# Altium PCB bms_mainboard-1_0.PcbDoc (part 5 of 7) (continued)
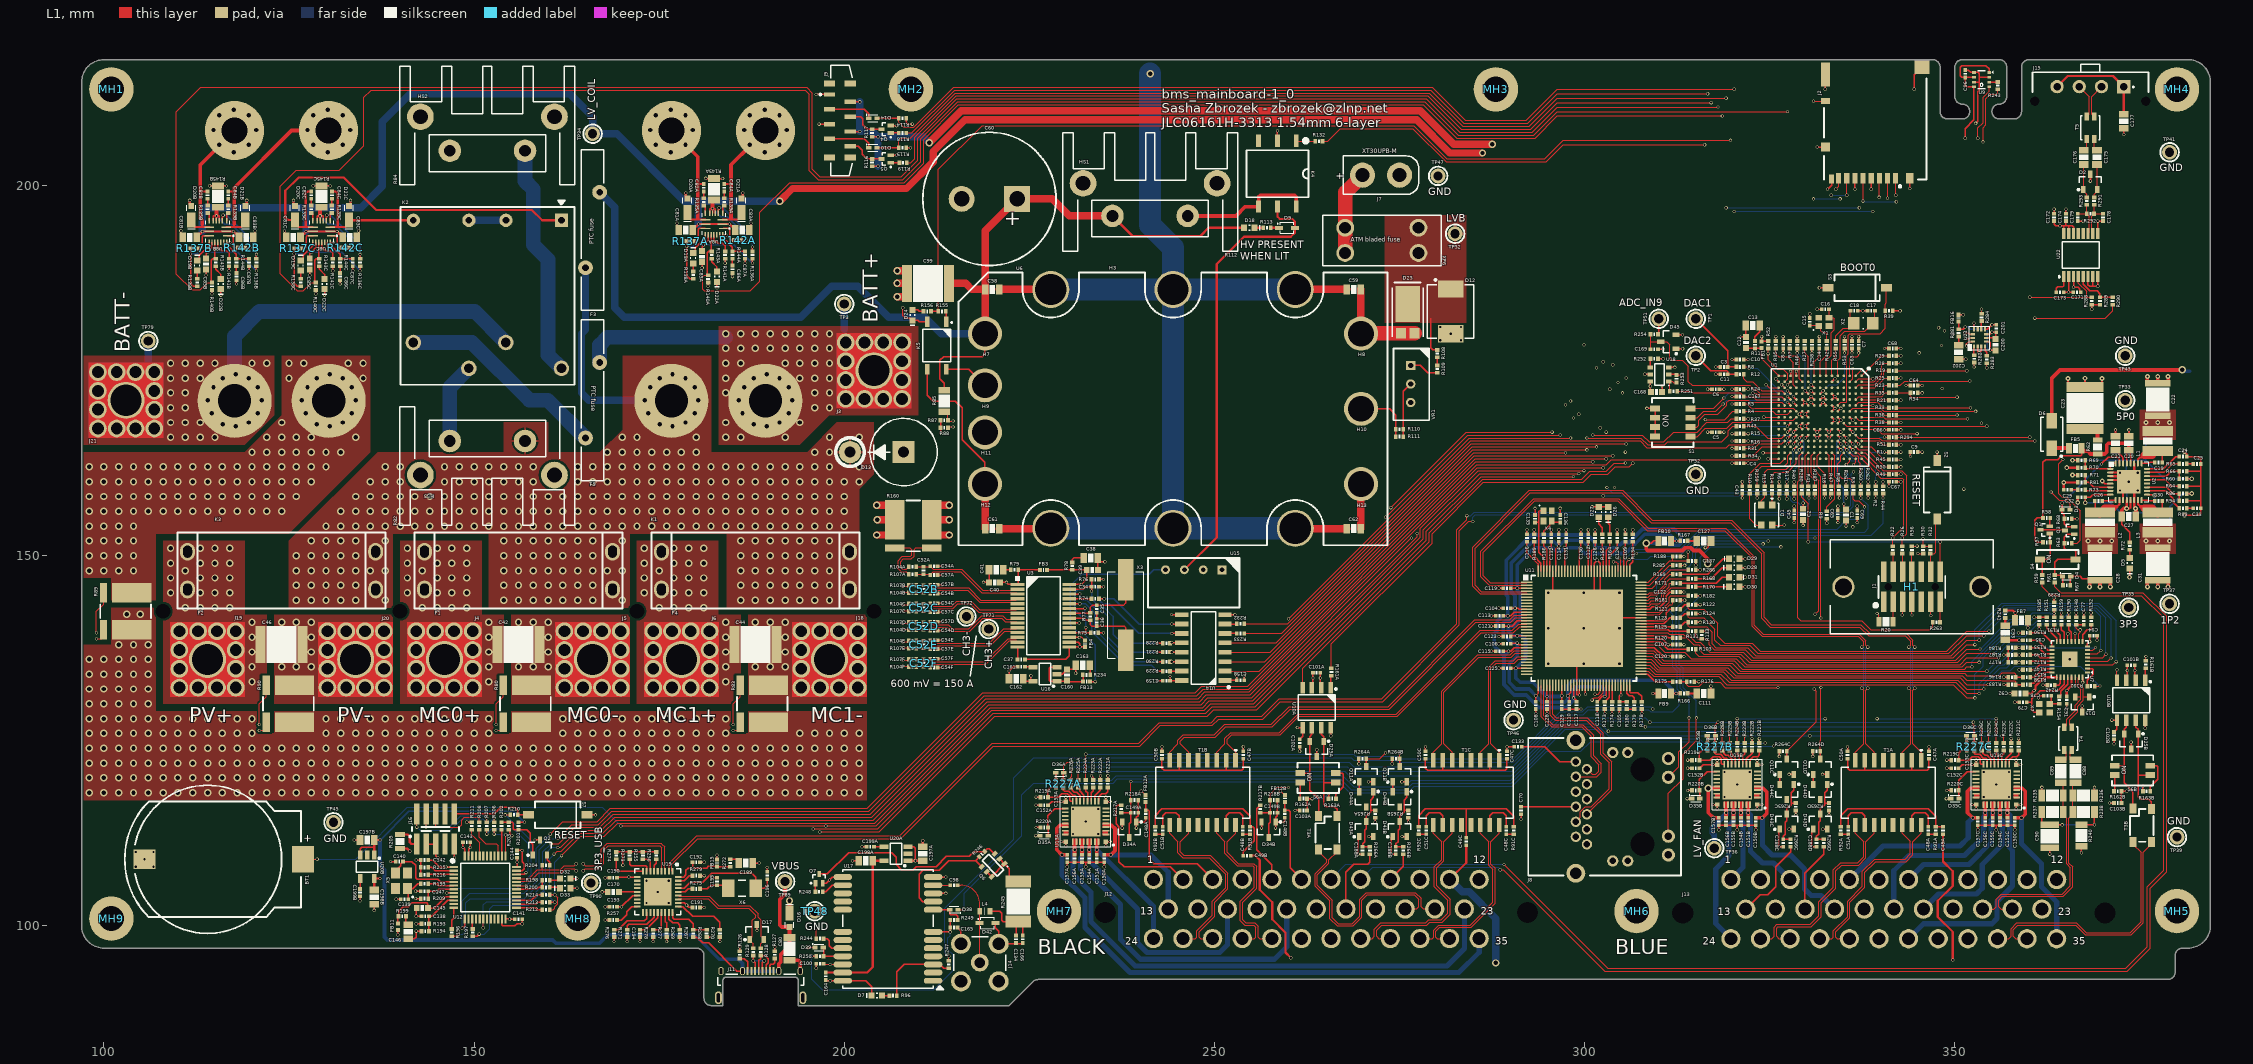
[diagram p0: L1 view]
## Nets (pads, with @x,y where several pads share a name; then routed paths per layer and width w, separated by ;. In a path a pad name is that pad's centre, name@x,y a point inside that pad or via, vN(x,y) a via of type N, cw(c..) or ccw(c..) an arc to the next point about the centre after c; other vN are vias at no path point) (continued)
NetC36_1: C36.1 R77.1 U3.21 X3.1 | length 11.5
  L1 w0.203: U3.21@230.4,141.575 232.425,141.575 232.7,141.3 R77.1@233.2,141.3 233.2,140.7 233.4,140.5 C36.1@234.1,140.5 237.8,140.5 238,140.3 X3.1@238,137.25
NetC37_1: C37.1 U3.14 | length 1.7
  L1 w0.203: C37.1@223.4,136 U3.14@223.4,137.675
NetC37_2: C37.2 C40.2 C41.2 C54A.2 C54B.2 C54C.2 C54D.2 C54E.2 C54F.2 C57A.1 C57B.1 C57C.1 C57D.1 C57E.1 C57F.1 FB4.2 U3.15 U3.16 | length 21.1
  L1 w0.2: C54F.2@212.6,134.9 v1(213.2,134.9) ; C57F.1@212.6,136.1 v1(213.2,136.1) ; C57E.1@212.6,137.4 v1(213.2,137.4) ; C54E.2@212.6,138.6 v1(213.2,138.6) ; C54D.2@212.6,139.9 v1(213.2,139.9) ; C57D.1@212.6,141.1 v1(213.2,141.1) ; C57C.1@212.6,142.4 v1(213.2,142.4) ; C54C.2@212.6,143.6 v1(213.2,143.6) ; C54B.2@212.6,144.9 v1(213.2,144.9) ; C57B.1@212.6,146.1 v1(213.2,146.1) ; C57A.1@212.6,147.4 v1(213.2,147.4) ; C54A.2@212.6,148.6 v1(213.2,148.6) ; v1(218.8,146.4) C40.2@219.55,146.4 C41.2@219.55,148.1 ; C37.2@224.4,136 229.9,136 230.4,136.5 U3.15@230.4,137.675 230.425,137.7 v1(231.8,137.7) ; U3.16@230.4,138.325 231.575,138.325 231.8,138.1 v1(231.8,137.7) ; FB4.2@232.5,137.65 232.45,137.7 v1(231.8,137.7)
NetC38_1: C38.1 R78.1 | length 2
  L1 w0.203: R78.1@230.8,149.1 230.8,149.5 231,149.7 C38.1@232.35,149.7
NetC40_1: C40.1 FB3.2 R79.2 U3.1 | length 7.4
  L1 w0.2: C40.1@221.05,146.4 v1(221.9,146.4) 222.175,146.125 U3.1@223.4,146.125 223.5,146.225 R79.2@223.5,148.1 FB3.2@226.45,148.1
NetC41_1: C41.1 R79.1 | length 1.1
  L1 w0.2: C41.1@221.45,148.1 R79.1@222.5,148.1
NetC47A_1: C47A.1 C50A.1 T1A.2 T1A.7 | length 16.7
  L1 w0.2: C50A.1@335.5,122.6 335.5,121.3 335.8,121 337.825,121 ; T1A.7@337.825,122.382 337.825,121 ; T1A.2@344.175,122.382 344.175,121 ; C47A.1@346.5,122.6 346.5,121.2 346.3,121 344.175,121 ; 337.825,121 344.175,121
NetC47B_1: C47B.1 C50B.1 T1B.2 T1B.7 | length 16.7
  L1 w0.2: C50B.1@242.9,122.6 242.9,121.3 243.2,121 245.225,121 ; T1B.7@245.225,122.382 245.225,121 ; T1B.2@251.575,122.382 251.575,121 ; C47B.1@253.9,122.6 253.9,121.2 253.7,121 251.575,121 ; 245.225,121 251.575,121
NetC47C_1: C47C.1 C50C.1 T1C.2 T1C.7 | length 16.7
  L1 w0.2: C50C.1@278.5,122.6 278.5,121.3 278.8,121 280.825,121 ; T1C.7@280.825,122.382 280.825,121 ; T1C.2@287.175,122.382 287.175,121 ; C47C.1@289.5,122.6 289.5,121.2 289.3,121 287.175,121 ; 280.825,121 287.175,121
NetC48A_1: C48A.1 T1A.15 | length 5.3
  L1 w0.2: T1A.15@344.175,113.619 344.175,114.875 344.6,115.3 346,115.3 346.4,114.9 C48A.1@346.4,113.4
NetC48A_2: C48A.2 R91A.2 | length 1
  L1 w0.2: C48A.2@346.4,112.4 R91A.2@347.4,112.4
NetC48B_1: C48B.1 T1B.15 | length 5.3
  L1 w0.2: T1B.15@251.575,113.619 251.575,114.875 252,115.3 253.4,115.3 253.8,114.9 C48B.1@253.8,113.4
NetC48B_2: C48B.2 R91B.2 | length 1
  L1 w0.2: C48B.2@253.8,112.4 R91B.2@254.8,112.4
NetC48C_1: C48C.1 T1C.15 | length 5.3
  L1 w0.2: T1C.15@287.175,113.619 287.175,114.875 287.6,115.3 289,115.3 289.4,114.9 C48C.1@289.4,113.4
NetC48C_2: C48C.2 R91C.2 | length 1
  L1 w0.2: C48C.2@289.4,112.4 R91C.2@290.4,112.4
NetC49A_1: C49A.1 R91A.1 R92A.1 | length 17.5
  L1 w0.2: R92A.1@334.6,113.4 334.6,114.9 335.5,115.8 346.4,115.8 347.4,114.8 R91A.1@347.4,113.4 C49A.1@348.4,113.4
NetC49B_1: C49B.1 R91B.1 R92B.1 | length 21.5
  L1 w0.2: R92B.1@242,113.4 242,114.9 242.9,115.8 253.8,115.8 254.8,114.8 R91B.1@254.8,113.4 255.2,113.4 255.4,113.2 255.4,111.5 253.9,110 C49B.1@253.9,109.5
NetC49C_1: C49C.1 R91C.1 R92C.1 | length 20.4
  L1 w0.2: R92C.1@277.6,113.4 277.6,114.9 278.5,115.8 284,115.8 ; C49C.1@284,111.9 284,115.8 ; R91C.1@290.4,113.4 290.4,114.8 289.4,115.8 284,115.8
NetC51A_1: C51A.1 T1A.10 | length 5.3
  L1 w0.2: C51A.1@335.6,113.4 335.6,114.9 336,115.3 337.4,115.3 337.825,114.875 T1A.10@337.825,113.619
NetC51A_2: C51A.2 R92A.2 | length 1
  L1 w0.2: R92A.2@334.6,112.4 C51A.2@335.6,112.4
NetC51B_1: C51B.1 T1B.10 | length 5.3
  L1 w0.2: C51B.1@243,113.4 243,114.9 243.4,115.3 244.8,115.3 245.225,114.875 T1B.10@245.225,113.619
NetC51B_2: C51B.2 R92B.2 | length 1
  L1 w0.2: R92B.2@242,112.4 C51B.2@243,112.4
NetC51C_1: C51C.1 T1C.10 | length 5.3
  L1 w0.2: C51C.1@278.6,113.4 278.6,114.9 279,115.3 280.4,115.3 280.825,114.875 T1C.10@280.825,113.619
NetC51C_2: C51C.2 R92C.2 | length 1
  L1 w0.2: R92C.2@277.6,112.4 C51C.2@278.6,112.4
NetC59_2: C59.2 D23.1 H8.1 | length 13.2
  L1 w1: C59.2@269.75,185.969 269.75,180.05 H8.1@269.8,180
  L1 w2: H8.1@269.8,180 269.848,180.048 D23.1@277.02,180.048
NetC60_2: C60.2 C61.1 C99.2 H12.1 K5.3 R160.2 | length 37.7
  L1 w0.2: K5.3@211.23,175.2 211.23,171.67 212,170.9 215,170.9 215.9,170 215.9,165.7 219,162.6 H12.1@219,159.68
  L1 w1: v2(207.125,186.8) C99.2@208.475,186.8 ; v2(207.15,185) C99.2@208.5,185 ; v2(207.15,188.5) C99.2@208.5,188.5 ; R160.2@211.8,154.85 v2(214.15,154.85) ; R160.2@211.85,152.8 v2(214.2,152.8) ; R160.2@211.85,156.8 v2(214.2,156.8) ; H12.1@219,159.68 219.05,159.63 C61.1@219.05,153.669
  L1 w2: H12.1@218.98,159.7 H12.1@219,159.68
NetC70_1: C70.1 J8.6 | length 7.4
  L1 w0.2: C70.1@291.4,116.1 J8.6@298.808,116.1
NetC78_1: C78.1 R154.2 X7.3 | length 2.6
  L1 w0.2: C78.1@363,131.1 363,130.15 X7.3@362.8,129.95 362.85,130 R154.2@364.1,130
NetC79_1: C79.1 U7.27 X7.1 | length 9.5
  L1 w0.2: C79.1@359.7,130.2 360.4,130.2 ; X7.1@361.4,128.85 360.75,128.85 360.4,129.2 360.4,130.2 ; U7.27@364.75,133.6 364.75,132.65 363.9,131.8 361.5,131.8 360.4,130.7 360.4,130.2
NetC82A_1: C82A.1 R135A.2 | length 0.9
  L1 w0.2: R135A.2@181,198.3 C82A.1@181,199.2
NetC82B_1: C82B.1 R135B.2 | length 0.9
  L1 w0.2: R135B.2@114,197.3 C82B.1@114,198.2
NetC82C_1: C82C.1 R135C.2 | length 0.9
  L1 w0.2: R135C.2@128,197.3 C82C.1@128,198.2
NetC84A_2: C84A.2 R139A.2 | length 0.9
  L1 w0.2: R139A.2@183.8,198.3 C84A.2@183.8,199.2
NetC84B_2: C84B.2 R139B.2 | length 0.9
  L1 w0.2: R139B.2@116.8,197.3 C84B.2@116.8,198.2
NetC84C_2: C84C.2 R139C.2 | length 0.9
  L1 w0.2: R139C.2@130.8,197.3 C84C.2@130.8,198.2
NetC85A_1: C85A.1 R136A.1 R137A.1 R138A.1 U8A.14 | length 18.9
  L1 w0.2: R137A.1@178.7,192.5 178.7,187.8 179.1,187.4 R138A.1@179.6,187.4 ; C85A.1@180.8,191.15 180.8,191.8 v1(181,192) 181.6,192.6 U8A.14@181.6,193.35 ; v1(187.6,189.5) R136A.1@187.6,190.1
  L6 w0.2: v1(178.7,191.8) 179.6,191.8 179.8,192 v1(181,192) 185.1,192 v1(187.6,189.5)
NetC85B_1: C85B.1 R136B.1 R137B.1 R138B.1 U8B.14 | length 18.9
  L1 w0.2: R137B.1@111.7,191.5 111.7,186.8 112.1,186.4 R138B.1@112.6,186.4 ; C85B.1@113.8,190.15 113.8,190.8 v1(114,191) 114.6,191.6 U8B.14@114.6,192.35 ; v1(120.6,188.5) R136B.1@120.6,189.1
  L6 w0.2: v1(111.7,190.8) 112.6,190.8 112.8,191 v1(114,191) 118.1,191 v1(120.6,188.5)
NetC85C_1: C85C.1 R136C.1 R137C.1 R138C.1 U8C.14 | length 18.9
  L1 w0.2: R137C.1@125.7,191.5 125.7,186.8 126.1,186.4 R138C.1@126.6,186.4 ; C85C.1@127.8,190.15 127.8,190.8 v1(128,191) 128.6,191.6 U8C.14@128.6,192.35 ; v1(134.6,188.5) R136C.1@134.6,189.1
  L6 w0.2: v1(125.7,190.8) 126.7,190.8 126.9,191 v1(128,191) 132.1,191 v1(134.6,188.5)
NetC86A_1: C86A.1 R144A.1 | length 0.9
  L1 w0.2: C86A.1@184.9,189.2 R144A.1@184.9,190.1
NetC86B_1: C86B.1 R144B.1 | length 0.9
  L1 w0.2: C86B.1@117.9,188.2 R144B.1@117.9,189.1
NetC86C_1: C86C.1 R144C.1 | length 0.9
  L1 w0.2: C86C.1@131.9,188.2 R144C.1@131.9,189.1
NetC87A_1: C87A.1 R144A.2 U8A.18 | length 5
  L1 w0.2: U8A.18@183.2,193.35 183.2,192.8 183.4,192.6 184,192.6 184.9,191.7 R144A.2@184.9,191.1 C87A.1@186.6,191.1
NetC87B_1: C87B.1 R144B.2 U8B.18 | length 5
  L1 w0.2: U8B.18@116.2,192.35 116.2,191.8 116.4,191.6 117,191.6 117.9,190.7 R144B.2@117.9,190.1 C87B.1@119.6,190.1
NetC87C_1: C87C.1 R144C.2 U8C.18 | length 5
  L1 w0.2: U8C.18@130.2,192.35 130.2,191.8 130.4,191.6 131,191.6 131.9,190.7 R144C.2@131.9,190.1 C87C.1@133.6,190.1
NetC88_1: C88.1 T4.4 | length 2.2
  L1 w0.1: T4.4@365.8,123.775 365.551,123.526 365.551,122.45 C88.1@366.3,122.45
NetC89_1: C89.1 T4.3 | length 2.2
  L1 w0.1: C89.1@364.3,122.45 365.049,122.45 365.049,123.526 T4.3@364.8,123.775
NetC90_1: C90.1 R237.2 R238.2 R240.1 | length 12.4
  L1 w0.2: R237.2@361.75,115.4 361.75,113.658 361.758,113.65 364.5,113.65 v1(364.503,113.653) ; R240.1@367.1,113.65 368.842,113.65 v1(368.853,113.661) 368.85,113.664 R238.2@368.85,115.4
  L6 w0.2: v1(364.503,113.653) 368.845,113.653 v1(368.853,113.661)
NetC91_1: C91.1 C92.1 FB7.1 R241.2 U7.25 U7.29 | length 27.2
  L1 w0.3: R241.2@356.8,142.6 357.821,142.6 v1(358.147,142.274) 358.15,142.271 FB7.1@358.15,141.65 ; C92.1@359.55,131.4 360.3,131.4 v1(360.7,131.8) 360.9,132 360.9,132.4 362.1,133.6 U7.25@363.75,133.6 ; C91.1@365.1,131 v1(365.1,131.8) 365.75,132.45 U7.29@365.75,133.6
  L5 w0.5: v1(358.147,142.274) 357.6,141.727 357.6,134.1 359.9,131.8 v1(360.7,131.8) v1(365.1,131.8)
NetC93_1: C93.1 R241.1 | length 1.1
  L1 w0.3: C93.1@356.8,140.55 R241.1@356.8,141.6
NetC103A_1: C103A.1 R162A.2 R163A.1 | length 5.5
  L1 w0.203: C103A.1@262.5,115.6 R162A.2@262.5,117.2 v1(263.2,117.2) ; R163A.1@265.4,117.2 v1(265.4,117.9)
  L6 w0.203: v1(263.2,117.2) 264.7,117.2 v1(265.4,117.9)
NetC103B_1: C103B.1 R162B.2 R163B.1 | length 5.5
  L1 w0.203: C103B.1@372.5,116.6 R162B.2@372.5,118.2 v1(373.2,118.2) ; R163B.1@375.4,118.2 v1(375.4,118.9)
  L6 w0.203: v1(373.2,118.2) 374.7,118.2 v1(375.4,118.9)
NetC104_1: C104.1 C106.1 C108.1 C110.1 C112.1 C114.1 C116.1 FB9.2 R166.2 U11.10 U11.22 U11.33 U11.44 U11.111 U11.122 U11.128 | length 81.9
  L1 w0.203: C106.1@290,138.1 290.1,138.2 v1(290.9,138.2) 291.1,138 U11.22@292.2,138 ; C104.1@290,142.9 v1(290.6,142.9) 291,142.9 291.1,142.8 U11.10@292.2,142.8 ; C116.1@292.2,151.9 292.2,150.4 293.7,148.9 U11.128@293.7,147.9 ; C108.1@293.4,130.3 v1(293.4,131.1) 293.7,131.4 U11.33@293.7,132.5 ; U11.122@296.1,147.9 296.1,150.9 v1(296.5,151.3) C114.1@296.5,151.9 ; C110.1@297.9,130.3 297.9,130.9 v1(297.7,131.1) 298.1,131.5 U11.44@298.1,132.5 ; U11.111@300.5,147.9 C112.1@300.5,151.9
  L1 w0.3: FB9.2@311.65,131.4 v1(312.375,131.4) R166.2@312.9,131.4
  L6 w0.5: v1(300.5,151.2) 299.6,152.1 297.3,152.1 v1(296.5,151.3) 295.9,151.9 292.95,151.9 v1(292.2,151.15) 290.1,149.05 290.1,145.1 290.6,144.6 v1(290.6,142.9) 290.6,141.6 290.3,141.3 289.4,141.3 289,140.9 289,139.4 290.2,138.2 v1(290.9,138.2) 290.9,136.5 289.8,135.4 289.8,132.9 290.7,132 292.5,132 v1(293.4,131.1) 294.3,130.2 297.3,130.2 297.7,130.6 v1(297.7,131.1) 297.7,132.5 298.4,133.2 310.575,133.2 v1(312.375,131.4)
NetC111_1: C111.1 R166.1 | length 1.3
  L1 w0.3: R166.1@313.9,131.4 C111.1@315.15,131.4
NetC119_1: C119.1 C121.1 C123.1 C125.1 C128.1 C129.1 C130.1 C131.1 C132.1 FB10.2 R167.2 U11.3 U11.14 U11.19 U11.30 U11.36 U11.41 U11.114 U11.119 U11.124 | length 79
  L1 w0.2: C121.1@289,140.5 v1(289.7,140.5) 290.2,140.5 290.9,141.2 U11.14@292.2,141.2 ; C125.1@290,134.8 v1@290.632,134.8 ; C123.1@290,139.1 290.1,139.2 v1@290.8,139.2 ; C119.1@290,145.6 U11.3@292.2,145.6 ; v1(290.7,134.8) v1@290.632,134.8 ; v1(290.9,139.2) v1@290.8,139.2 ; U11.30@292.2,134.8 v1@290.632,134.8 ; U11.19@292.2,139.2 v1@290.8,139.2 ; C128.1@294.9,130.3 v1(294.9,131) U11.36@294.9,132.5 ; U11.124@295.3,147.9 v1(295.3,151.1) 295.5,151.3 C132.1@295.5,151.9 ; C129.1@296.9,130.3 v1(296.9,131.1) U11.41@296.9,132.5 ; U11.119@297.3,147.9 v1(297.3,151.1) 297.5,151.3 C131.1@297.5,151.9 ; U11.114@299.3,147.9 v1(299.3,151) 299.5,151.2 C130.1@299.5,151.9
  L1 w0.3: FB10.2@311.65,152 v1@312.275,152 ; v1(312.4,152) v1@312.275,152 ; R167.2@312.9,152 v1@312.275,152
  L6 w0.5: v1(296.9,131.1) 296.8,131 v1(294.9,131) 293,132.9 291.3,132.9 290.7,133.5 v1(290.7,134.8) 292,136.1 292,138.7 291.5,139.2 v1(290.9,139.2) 290.3,139.2 289.7,139.8 v1(289.7,140.5) 290.4,140.5 291.3,141.4 291.3,144.9 290.9,145.3 v1(290.9,145.6) 290.9,148.8 293.2,151.1 v1(295.3,151.1) 295.7,151.1 296.2,150.6 296.8,150.6 v1(297.3,151.1) 299.2,151.1 v1(299.3,151) 300,150.3 305.5,150.3 308.1,152.9 311.5,152.9 v1(312.4,152)
NetC127_1: C127.1 R167.1 | length 1.3
  L1 w0.3: R167.1@313.9,152 C127.1@315.15,152
NetC133_1: C133.1 J8.12 | length 8.1
  L1 w0.2: C133.1@291.5,124.2 294.6,124.2 296.604,122.196 J8.12@298.808,122.196
NetC134_1: C134.1 C166.1 L4.1 R245.1 | length 9.2
  L1 w0.2: L4.1@219.59,102 221,102 221.3,101.7 221.3,100.8 221.5,100.6 R245.1@223.5,100.6 ; C134.1@223.2,98.7 223.2,100.3 R245.1@223.5,100.6 ; C166.1@224.1,98.7 224.1,100 R245.1@223.5,100.6
NetC135_1: C135.1 U11.126 X4.1 | length 9.6
  L1 w0.2: C135.1@293.3,154.5 293.8,154.5 ; X4.1@294.45,156.1 293.9,156.1 293.8,156 293.8,154.5 ; U11.126@294.5,147.9 294.5,149.8 293.8,150.5 293.8,154.5
NetC136_1: C136.1 R186.2 X4.3 | length 3.5
  L1 w0.2: R186.2@294.5,152.9 294.5,153.3 295.3,154.1 295.3,154.45 X4.3@295.55,154.7 295.75,154.5 C136.1@296.7,154.5
NetC138_2: C138.2 R193.1 R194.1 U12.10 | length 6.2
  L1 w0.2: R194.1@143.9,99.3 R193.1@143.9,100.3 C138.2@143.9,101.3 144.3,101.3 146.45,103.45 U12.10@147.25,103.45
NetC139_1: C139.1 R195.2 X5.1 | length 3.6
  L1 w0.2: C139.1@141.1,103.6 141.1,104.94 X5.1@141,105.04 141.74,105.04 142.4,105.7 R195.2@142.8,105.7
NetC146_1: C146.1 R199.1 | length 1.3
  L1 w0.2: R199.1@140.8,101.3 140.8,100.45 C146.1@141.1,100.15
NetC147_1: C147.1 R209.2 R210.1 U12.7 | length 28.4
  L1 w0.15: v1(154.2,115) R210.1@154.9,115
  L1 w0.2: R209.2@143.8,103.7 C147.1@143.8,104.7 v1(145,104.7) 145.25,104.95 U12.7@147.25,104.95
  L6 w0.15: v1(145,104.7) 145.4,105.1 155.8,105.1 157.7,107 157.7,111.5 v1(154.2,115)
NetC153A_1: C153A.1 R219A.2 U13A.16 | length 6.5
  L1 w0.2: C153A.1@228.6,118.7 227.87,118.7 227.5,118.33 R219A.2@227.5,117.4 228.87,117.4 229.345,117.875 230.145,117.875 230.445,117.575 230.445,116.975 230.57,116.85 U13A.16@230.85,116.85
NetC153B_1: C153B.1 R219B.2 U13B.16 | length 6.5
  L1 w0.2: C153B.1@316.6,123.7 315.87,123.7 315.5,123.33 R219B.2@315.5,122.4 316.87,122.4 317.345,122.875 318.145,122.875 318.445,122.575 318.445,121.975 318.57,121.85 U13B.16@318.85,121.85
NetC153C_1: C153C.1 R219C.2 U13C.16 | length 6.5
  L1 w0.2: C153C.1@351.6,123.7 350.87,123.7 350.5,123.33 R219C.2@350.5,122.4 351.87,122.4 352.345,122.875 353.145,122.875 353.445,122.575 353.445,121.975 353.57,121.85 U13C.16@353.85,121.85
NetC160_1: C160.1 FB13.1 R234.2 U16.1 U16.3 | length 8.4
  L1 w0.2: U16.3@228.71,134.95 227.85,134.95 227.7,134.8 227.7,133.2 227.85,133.05 U16.1@228.71,133.05 230,133.05 C160.1@230.1,133.15 230.25,133 FB13.1@232.25,133 232.25,133.85 R234.2@232.2,133.9 R234.2@232.15,133.95
NetC161_1: C161.1 U16.4 | length 1.1
  L1 w0.2: C161.1@224.4,135 225.44,135 U16.4@225.49,134.95
NetC163_1: C163.1 R234.1 | length 1.3
  L1 w0.2: C163.1@233.15,135.2 233.2,135.15 R234.1@233.2,133.9
NetC165_1: C165.1 R249.2 R250.2 U17.7 | length 34
  L1 w0.2: v1(195.6,95.9) R250.2@196.2,95.9 ; U17.7@212,99.2 v1(214.3,99.2) C165.1@214.3,99.8 R249.2@214.3,100.8
  L6 w0.15: v1(195.6,95.9) 195.6,92.8 197,91.4 212.1,91.4 214.7,94 214.7,96.1 214,96.8 214,98.4 214.3,98.7 v1(214.3,99.2)
NetC167_1: C167.1 R251.2 U1.R5 | length 14.2
  L1 w0.15: R251.2@312.5,172.2 314.4,172.2 314.6,172 321,172 C167.1@321.5,171.5 322.8,171.5 323.2,171.1 U1.R5@326.2,171.1
NetC169_1: C169.1 D45.3 R254.1 U1.R4 | length 24.5
  L1 w0.15: C169.1@308.9,177.9 308.9,178.9 ; R254.1@308.9,179.9 308.9,178.9 ; U1.R4@326.2,171.9 323.7,171.9 323.15,172.45 322.85,172.45 322.3,173 314.5,173 314,173.5 314,175.6 313.2,176.4 311.8,176.4 311.5,176.7 311.5,178.5 311.1,178.9 D45.3@310.275,178.9 308.9,178.9
NetC170_1: C170.1 U19.14 | length 2.5
  L1 w0.2: C170.1@169.55,104.6 U19.14@172.025,104.6
NetC173_1: C173.1 U22.1 | length 2.9
  L1 w0.2: C173.1@363.7,185.6 363.7,186.1 363.9,186.3 364.6,186.3 364.725,186.425 U22.1@364.725,187.7
NetC175_1: C175.1 D2.2 R291.2 | length 4.7
  L1 w0.15: R291.2@368.8,198.4 368.8,198.8 369.25,199.25 D2.2@369.25,199.475 369.2,199.525 C175.1@369.2,202.85
NetC175_2: C175.2 T5.2 | length 1.7
  L1 w0.15: T5.2@368.8,206.275 368.8,205.15 C175.2@369.2,204.75
NetC176_1: C176.1 D2.1 R293.2 | length 4.7
  L1 w0.15: C176.1@367.4,202.85 367.4,199.525 D2.1@367.35,199.475 367.35,199.25 367.8,198.8 R293.2@367.8,198.4
NetC176_2: C176.2 T5.1 | length 1.7
  L1 w0.15: C176.2@367.4,204.75 367.8,205.15 T5.1@367.8,206.275
NetC177_1: C177.1 J15.1 J15.4 | length 13.9
  L1 w0.3: J15.4@363.8,213.36 365.24,214.8 371.36,214.8 J15.1@372.8,213.36 C177.1@372.8,209.65
NetC188A_1: C188A.1 D43A.3 D44A.1 R265A.1 R266A.2 | length 9.6
  L1 w0.2: R266A.2@271,110.7 C188A.1@270,110.7 270,111.1 270.3,111.4 270.3,112.9 270.5,113.1 D43A.3@270.5,114.125 270.5,114.8 271.1,115.4 271.1,115.6 ; D44A.1@271.45,118.125 271.45,117.35 271.1,117 271.1,115.6 ; R265A.1@271.7,115.6 271.1,115.6
NetC188B_1: C188B.1 D43B.3 D44B.1 R265B.1 R266B.2 | length 9.6
  L1 w0.2: R266B.2@275.5,110.7 C188B.1@274.5,110.7 274.5,111.1 274.8,111.4 274.8,112.9 275,113.1 D43B.3@275,114.125 275,114.8 275.6,115.4 275.6,115.6 ; D44B.1@275.95,118.125 275.95,117.35 275.6,117 275.6,115.6 ; R265B.1@276.2,115.6 275.6,115.6
NetC188C_1: C188C.1 D43C.3 D44C.1 R265C.1 R266C.2 | length 9.6
  L1 w0.2: R266C.2@327.8,111.7 C188C.1@326.8,111.7 326.8,112.1 327.1,112.4 327.1,114 327.3,114.2 D43C.3@327.3,115.125 327.3,115.8 327.9,116.4 327.9,116.6 ; D44C.1@328.25,119.125 328.25,118.35 327.9,118 327.9,116.6 ; R265C.1@328.5,116.6 327.9,116.6
NetC188D_1: C188D.1 D43D.3 D44D.1 R265D.1 R266D.2 | length 9.6
  L1 w0.2: R266D.2@332.3,111.7 C188D.1@331.3,111.7 331.3,112.1 331.6,112.4 331.6,114 331.8,114.2 D43D.3@331.8,115.125 331.8,115.8 332.4,116.4 332.4,116.6 ; D44D.1@332.75,119.125 332.75,118.35 332.4,118 332.4,116.6 ; R265D.1@333,116.6 332.4,116.6
NetC189_1: C189.1 R272.2 | length 1.4
  L1 w0.2: R272.2@184.6,109 185.4,109 185.75,108.65 C189.1@185.75,108.5
NetC190_1: C190.1 C191.1 C192.1 FB15.2 R272.1 U19.10 U19.29 U19.36 | length 28.2
  L1 w0.2: C190.1@169.3,106.5 169.4,106.6 v1(170.9,106.6) U19.10@172.025,106.6 ; U19.29@177.575,103.1 178.4,103.1 v1(178.7,102.8) 179,102.5 C191.1@179.5,102.5 ; U19.36@177.575,106.6 178.3,106.6 178.6,106.9 178.6,107.5 178.9,107.8 v1(179.5,107.8) ; C192.1@179.5,108.6 v1(179.5,107.8) ; R272.1@184.6,108 182.85,108 FB15.2@182.8,108.05 181.65,108.05 181.4,107.8 v1(179.5,107.8)
  L5 w0.5: v1(170.9,106.6) 172.1,107.8 v1(179.5,107.8) 179.5,103.6 v1(178.7,102.8)
NetC195_1: C195.1 R275.1 X6.1 | length 4.2
  L1 w0.2: R275.1@180.5,105 181.5,105 182,105.5 C195.1@182.8,105.5 183.95,105.5 X6.1@184.35,105.1
NetC196_1: C196.1 U19.33 X6.2 | length 15.5
  L1 w0.2: U19.33@177.575,105.1 178.4,105.1 179.2,105.9 180.9,105.9 182.1,107.1 187.5,107.1 188.05,106.55 X6.2@188.05,105.1 189.2,105.1 189.6,105.5 C196.1@189.6,106.3
NetC199A_1: C199A.1 U20A.4 | length 1.4
  L1 w0.2: C199A.1@204,110.7 U20A.4@205.39,110.7
NetC199B_1: C199B.1 U20B.4 | length 1.4
  L1 w0.2: C199B.1@134.6,105 U20B.4@134.6,106.39
NetC200_1: C200.1 C201.1 FB16.2 R281.2 U21.5 U21.8 U21.11 | length 14.9
  L1 w0.2: FB16.2@350.5,181.65 R281.2@350.5,180.6 351.1,180.6 v1(351.4,180.9) ; U21.11@352.575,180.588 352.575,181.391 v1(352.581,181.397) ; U21.8@354.075,180.588 354.388,180.588 v1(355,181.2) C201.1@355.6,181.2 ; U21.5@354.237,178.926 354.674,178.926 354.8,178.8 354.8,178.3 354.7,178.2 354.7,177.793 v1(354.735,177.759) 354.743,177.75 C200.1@355.5,177.75
  L6 w0.2: v1(351.4,180.9) 351.8,180.9 352.1,180.6 352.6,180.6 ; v1(352.581,181.397) 352.6,181.377 352.6,180.6 ; v1(354.735,177.759) 354.4,178.093 354.4,180.6 ; v1(355,181.2) 354.4,180.6 ; 352.6,180.6 354.4,180.6
NetC202_1: C202.1 R281.1 | length 1.2
  L1 w0.2: C202.1@350.5,178.45 R281.1@350.5,179.6
NetD1_1: D1.1 R14.1 | length 1.6
  L1 w0.15: R14.1@325.3,158.4 325.3,156.9 D1.1@325.35,156.85
NetD1_3: D1.3 R13.1 | length 1.7
  L1 w0.15: D1.3@323.85,156.85 323.85,157.45 324.3,157.9 R13.1@324.3,158.4
NetD1_4: D1.4 R10.1 | length 5.3
  L1 w0.15: R10.1@322.3,158.4 322.3,155 323.15,154.15 D1.4@323.85,154.15
NetD3_2: D3.2 Q3.2 R68.2 U2.31 | length 15.4
  L1 w0.2: v1(364.5,157.1) 364.5,156.25 D3.2@364.45,156.2 364.45,155.85 364.8,155.5 R68.2@364.8,155 364.8,154.3 365.2,153.9 Q3.2@366.125,153.9 ; v1(369.8,162.4) 370.7,163.3 372,163.3 372.225,163.075 U2.31@372.225,162.475
  L6 w0.2: v1(364.5,157.1) v1(369.8,162.4)
NetD4_2: D4.2 Q3.1 R61.2 R63.2 R67.2 S4.1 | length 12.8
  L1 w0.2: R67.2@364.6,146 364.6,147.15 D4.2@364.55,147.2 364.35,147.4 R61.2@363.5,147.4 363.5,149.1 363.9,149.5 S4.1@366.3,149.5 366.3,150.6 366.1,150.8 365,150.8 364.8,151 R63.2@364.8,151.7 364.8,152.5 365.2,152.9 Q3.1@366.125,152.9
NetD5_2: D5.2 R72.1 | length 1.1
  L1 w0.2: D5.2@373.6,149.7 R72.1@373.6,150.8
NetD6_2: D6.2 FB5.1 | length 2.3
  L1 w0.5: D6.2@363.1,164.55 365.375,164.55 FB5.1@365.425,164.5
NetD7_2: D7.2 R96.2 | length 1
  L1 w0.2: D7.2@205.1,90.6 R96.2@206.1,90.6
NetD9_2: D9.2 R113.2 | length 1.1
  L1 w0.3: R113.2@257.6,194.3 D9.2@258.73,194.3
NetD18_1: D18.1 R113.1 | length 1.2
  L1 w0.3: D18.1@255.4,194.3 R113.1@256.6,194.3
NetD19A_1: D19A.1 U8A.13 | length 3.1
  L1 w0.2: D19A.1@179.6,190.9 179.9,191.2 179.9,191.6 181.2,192.9 U8A.13@181.2,193.35
NetD19A_2: D19A.2 R138A.2 | length 1.1
  L1 w0.2: R138A.2@179.6,188.4 D19A.2@179.6,189.5
NetD19B_1: D19B.1 U8B.13 | length 3.1
  L1 w0.2: D19B.1@112.6,189.9 112.9,190.2 112.9,190.6 114.2,191.9 U8B.13@114.2,192.35
NetD19B_2: D19B.2 R138B.2 | length 1.1
  L1 w0.2: R138B.2@112.6,187.4 D19B.2@112.6,188.5
NetD19C_1: D19C.1 U8C.13 | length 3.1
  L1 w0.2: D19C.1@126.6,189.9 126.9,190.2 126.9,190.6 128.2,191.9 U8C.13@128.2,192.35
NetD19C_2: D19C.2 R138C.2 | length 1.1
  L1 w0.2: R138C.2@126.6,187.4 D19C.2@126.6,188.5
NetD22A_2: D22A.2 R143A.2 | length 2
  L1 w0.203: R143A.2@182.1,190.1 182.1,189.7 182.8,189 D22A.2@182.8,188.4
NetD22B_2: D22B.2 R143B.2 | length 2
  L1 w0.203: R143B.2@115.1,189.1 115.1,188.7 115.8,188 D22B.2@115.8,187.4
NetD22C_2: D22C.2 R143C.2 | length 2
  L1 w0.203: R143C.2@129.1,189.1 129.1,188.7 129.8,188 D22C.2@129.8,187.4
NetD24_2: D24.2 R156.2 | length 1.6
  L1 w0.2: D24.2@209.2,183.2 209.9,183.2 210.1,183 R156.2@210.7,183
NetD25A_1: D25A.1 S6A.1 T3A.2 U10A.7 | length 15.1
  L1 w0.2: U10A.7@264.435,126.8 264.435,125.865 264.75,125.55 D25A.1@264.75,124.925 264.75,116.45 265.1,116.1 266.2,116.1 266.55,115.75 T3A.2@266.55,114.825 ; 264.751,119.364 S6A.1@266.4,119.365
NetD25A_2: D25A.2 S6A.4 T3A.1 U10A.6 | length 13.8
  L1 w0.2: S6A.4@261.6,120.635 262.847,120.635 262.85,120.632 ; U10A.6@263.165,126.8 263.165,125.865 262.85,125.55 D25A.2@262.85,124.925 262.85,120.632 ; T3A.1@264.05,114.875 264.05,117.15 262.85,118.35 262.85,120.632
NetD25B_1: D25B.1 S6B.1 T3B.2 U10B.7 | length 15.1
  L1 w0.2: U10B.7@374.435,127.8 374.435,126.865 374.75,126.55 D25B.1@374.75,125.925 374.75,117.45 375.1,117.1 376.2,117.1 376.55,116.75 T3B.2@376.55,115.825 ; 374.751,120.364 S6B.1@376.4,120.365
NetD25B_2: D25B.2 S6B.4 T3B.1 U10B.6 | length 13.8
  L1 w0.2: S6B.4@371.6,121.635 372.847,121.635 372.85,121.632 ; U10B.6@373.165,127.8 373.165,126.865 372.85,126.55 D25B.2@372.85,125.925 372.85,121.632 ; T3B.1@374.05,115.875 374.05,118.15 372.85,119.35 372.85,121.632
NetD26_1: D26.1 R164.1 | length 2.4
  L1 w0.2: D26.1@303.2,155.2 303.2,154.4 303.4,154.2 R164.1@303.4,152.9
NetD27_1: D27.1 R165.1 | length 2.5
  L1 w0.2: D27.1@301.9,155.2 301.9,154.3 302.4,153.8 R165.1@302.4,152.9
NetD28_1: D28.1 R168.1 | length 5.1
  L1 w0.2: R168.1@315,146.9 317.1,146.9 318.6,148.4 D28.1@319.5,148.4
NetD29_1: D29.1 R169.1 | length 7.5
  L1 w0.2: R169.1@312.9,147.5 316.6,147.5 318.7,149.6 D29.1@319.5,149.6
NetD30_1: D30.1 R170.1 | length 4.5
  L1 w0.2: R170.1@315,145.8 D30.1@319.5,145.8
NetD31_2: D31.2 R171.1 | length 6.9
  L1 w0.2: R171.1@312.9,146.3 317.8,146.3 318.6,147.1 D31.2@319.5,147.1
NetD32_2: D32.2 R198.1 | length 1.4
  L1 w0.2: R198.1@160.2,106.2 161.3,106.2 D32.2@161.5,106.4
NetD33_1: D33.1 R200.1 | length 1.4
  L1 w0.2: R200.1@160.2,105.2 161.5,105.2 D33.1@161.6,105.1
NetD35A_1: D35A.1 R220A.1 U13A.17 | length 5.5
  L1 w0.2: D35A.1@227.55,112.2 227.55,113.25 R220A.1@227.5,113.3 227.5,114.9 228.45,115.85 U13A.17@229.85,115.85
NetD35B_1: D35B.1 R220B.1 U13B.17 | length 5.4
  L1 w0.2: D35B.1@315.55,117.2 315.55,118.25 R220B.1@315.5,118.3 315.5,119.8 316.55,120.85 U13B.17@317.85,120.85
NetD35C_1: D35C.1 R220C.1 U13C.17 | length 5.3
  L1 w0.2: D35C.1@350.55,117.2 350.55,118.25 R220C.1@350.5,118.3 350.5,119.7 351.65,120.85 U13C.17@352.85,120.85
NetD38_1: D38.1 R249.1 U17.8 | length 4.5
  L1 w0.2: U17.8@212,102.2 D38.1@214.25,102.2 214.25,101.65 214.4,101.5 215.1,101.5 215.3,101.3 R249.1@215.3,100.8
NetD39_1: D39.1 R250.1 U17.21 | length 3.8
  L1 w0.2: D39.1@197.15,97.1 197.2,97.05 R250.1@197.2,95.9 U17.21@199.8,95.9
NetD44A_2: D44A.2 Q11A.1 | length 1.4
  L1 w0.2: D44A.2@269.55,118.125 Q11A.1@269.55,119.475
NetD44B_2: D44B.2 Q11B.1 | length 1.4
  L1 w0.2: D44B.2@274.05,118.125 Q11B.1@274.05,119.475
NetD44C_2: D44C.2 Q11C.1 | length 1.4
  L1 w0.2: D44C.2@326.35,119.125 Q11C.1@326.35,120.475
NetD44D_2: D44D.2 Q11D.1 | length 1.4
  L1 w0.2: D44D.2@330.85,119.125 Q11D.1@330.85,120.475
NetF5_2: F5.2 K2.8 | length 28.6
  L6 w2: K2.8@141.8,178.8 149.7,178.8 157.5,171 159.95,171 F5.2@165.05,165.9
NetH9_1: H9.1 K5.4 | length 6.1
  L1 w0.2: K5.4@213.77,175.2 216.815,175.2 H9.1@219,173.015
NetH10_1: H10.1 R110.1 R111.1 | length 7.9
  L1 w0.2: H10.1@269.8,169.84 273.66,169.84 274.5,169 R110.1@274.5,167.1 R111.1@274.5,166.1
NetJ1_3: J1.3 R20.1 | length 2.7
  L1 w0.15: R20.1@341.65,141.1 341.66,141.11 J1.3@341.66,143.768
NetJ7_1: J7.1 XF6.1 | length 11.5
  L1 w2: XF6.1@267.65,190.895 267.65,199.05 J7.1@270,201.4
NetJ8_18: J8.18 R182.2 | length 36.8
  L1 w0.15: J8.18@311.305,112.125 311.305,117.905 313.3,119.9 313.3,123.2 315.1,125 v1(315.1,128.1)
  L1 w0.2: R182.2@315,144.6 v1(315.6,144.6)
  L6 w0.15: v1(315.1,128.1) 315.1,130.4 313.3,132.2 313.3,134.8 312.8,135.3 312.8,141.8 v1(315.6,144.6)
NetJ8_19: J8.19 R181.2 | length 26.8
  L1 w0.15: J8.19@311.305,120.075 312.7,121.47 312.7,123.5 314.1,124.9 v1(314.1,128.1)
  L1 w0.2: R181.2@312.9,144 v1(313.5,144)
  L6 w0.15: v1(313.5,144) 312.4,142.9 312.4,135.1 312.9,134.6 312.9,132.1 314.1,130.9 v1(314.1,128.1)
NetJ11_CC1: J11.CC1 R126.2 | length 2.5
  L1 w0.2: R126.2@185.9,95.6 186.5,95.6 186.95,95.15 J11.CC1@186.95,93.9